# Altium PCB Computer_Board.PcbDoc (part 2 of 5) (continued)
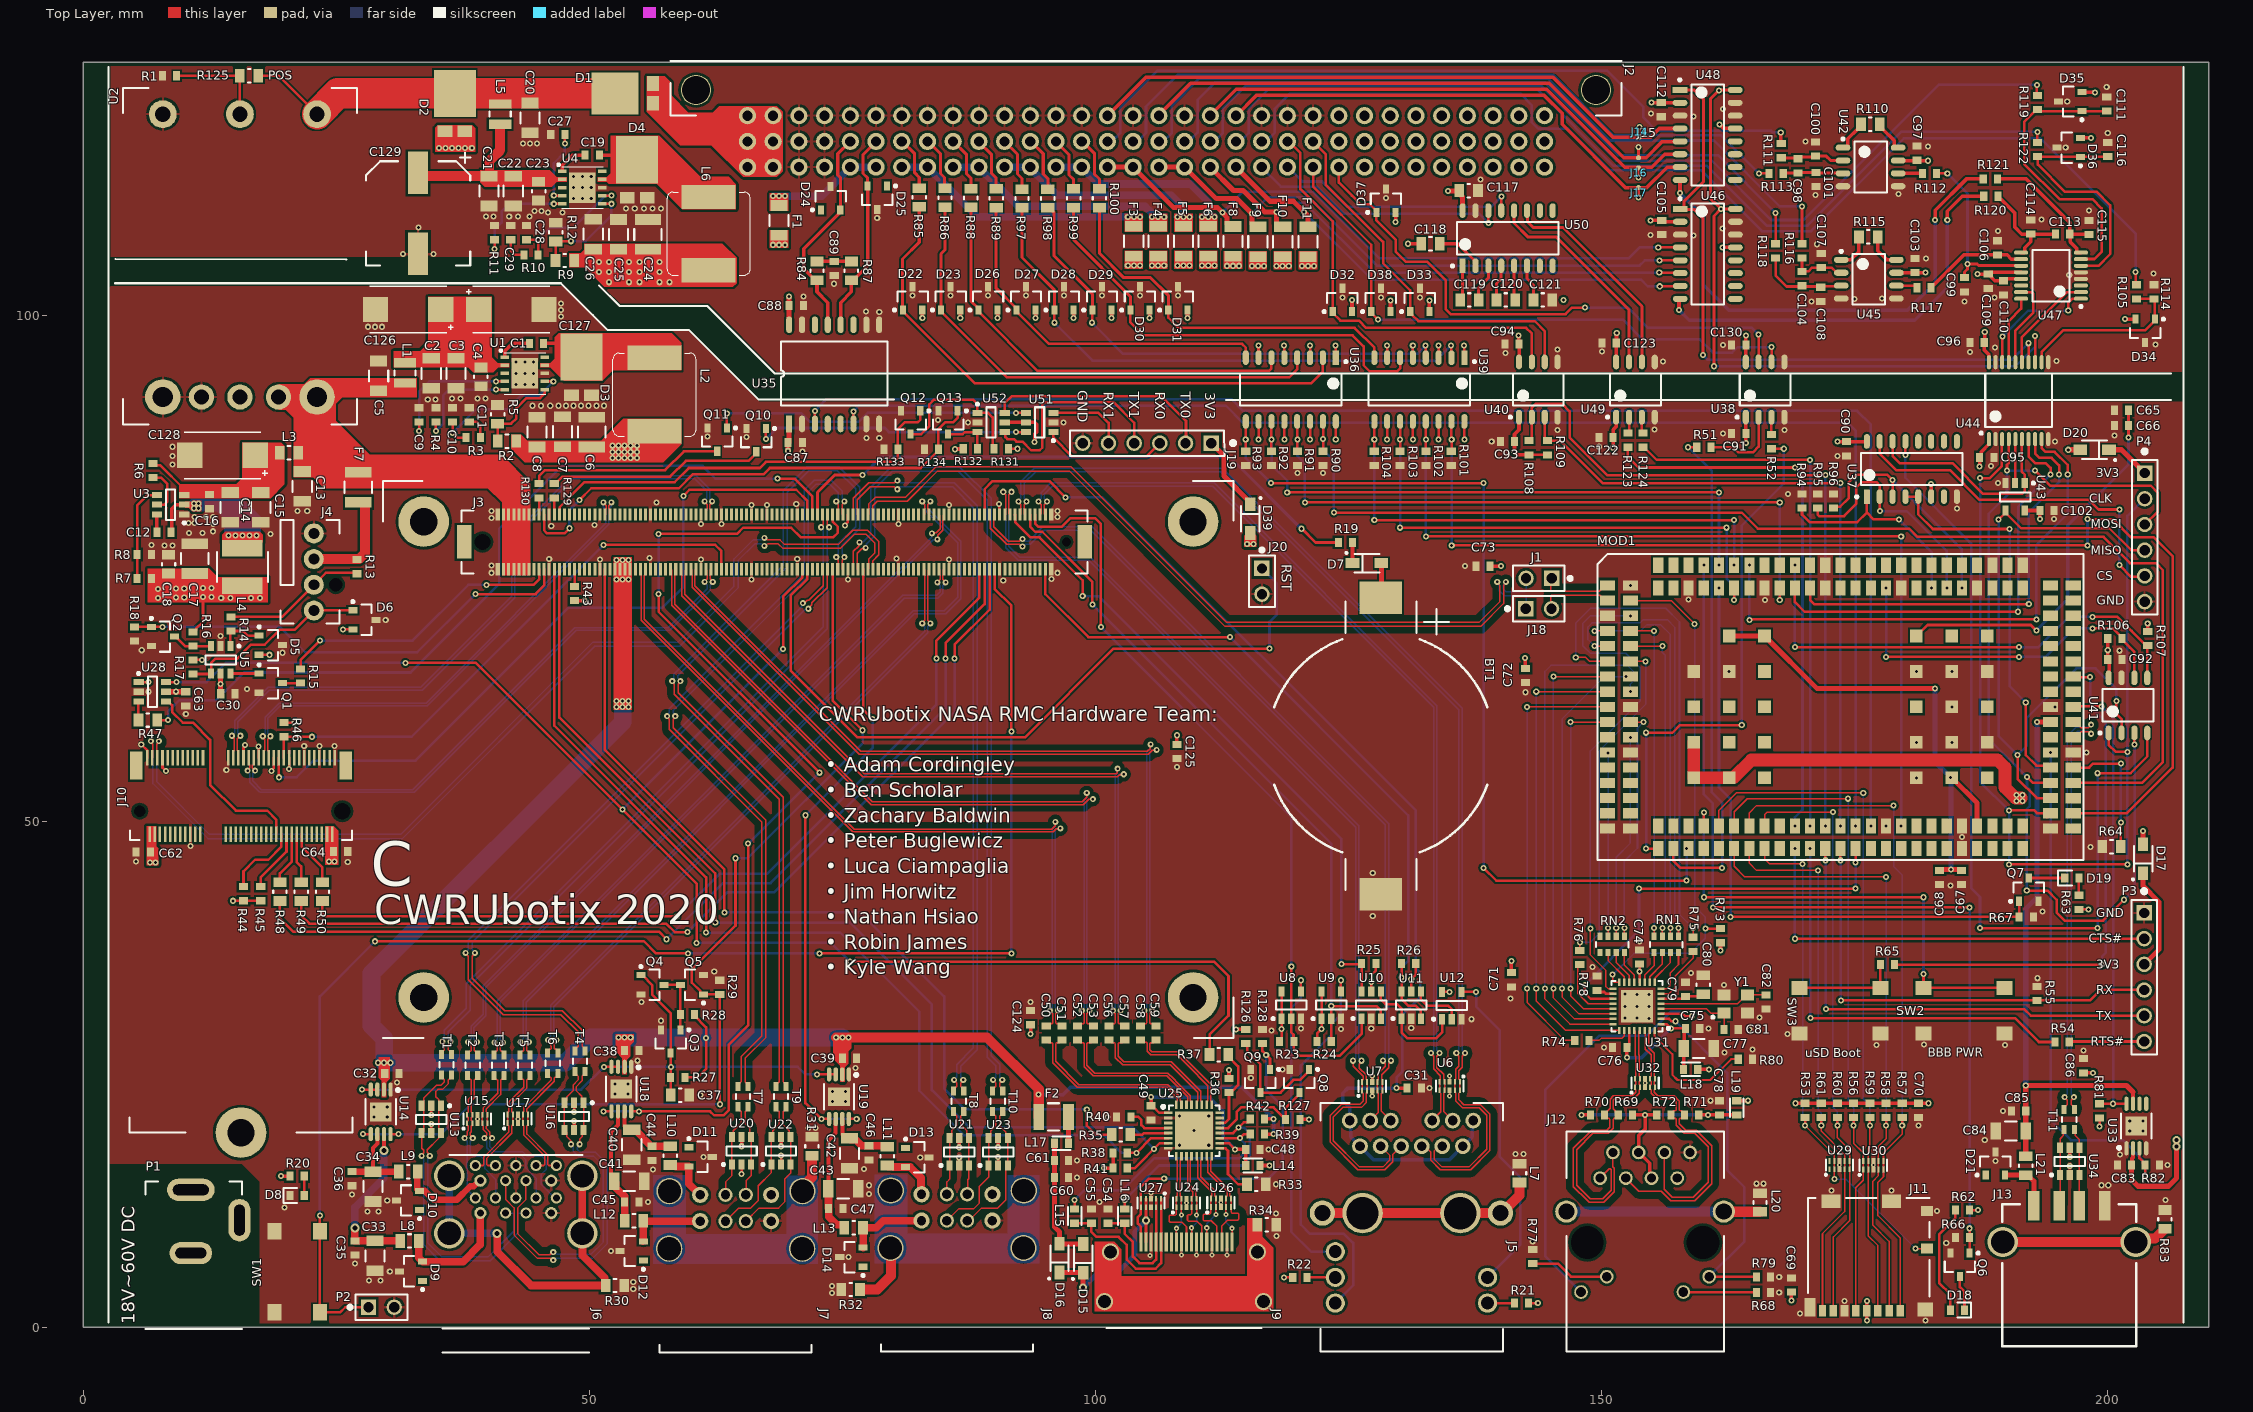
[diagram p0: Top Layer view]
## Part data (continued)
U5 U51 U52: library part LOGIC-00001, "Inverter, Dual, sot-23-6, SN74LVC2G04", Manufacturer=TI, Manufacturer PN=SN74LVC2G04, Part Number=LOGIC-00001
U6 U7 U15 U17 U24 U26 U27 U29 U30 U32: library part DIO-00068, "TVS, 4-Ch, ESD Protec, 3.6V 8.8V 10-USON", Current Rating=2A, Manufacturer=TI, Power Rating=17W, Cost=0.56, Manufacturer PN=TPD4E02B04DQAR, Part Number=DIO-00068, Type=TVS
U8 U9 U12: library part LOGIC-00040, "IC, Tri-State Buffer Non-Inverting, Single, 1.65-5.5V, SOT-23-5", Manufacturer=TI, Cost=$0.32, Manufacturer PN=SN74LVC1G126DBVR, Part Number=LOGIC-00040
U10 U11 U28: library part LOGIC-00042, "IC, AND Gate, Single 3-Input, 1.65-5.5V, SOT-23-6", Manufacturer=TI, Cost=$0.37, Manufacturer PN=SN74LVC1G11DBVR, Part Number=LOGIC-00042
U13 U16 U20 U21 U22 U23 U34: library part DIO-00069, "ESD Protec, 2-Ch, 2.5pF, 17V clamping voltage, SOT23-6", Current Rating=5A, Forward Voltage=1.1V, Manufacturer=ST, Reverse Breakdown Voltage=6V, Cost=0.73, Manufacturer PN=USBLC6-2SC6Y, Part Number=DIO-00069, Type=TVS
U14 U18 U19 U33: library part PWREG-00052, "IC, Power Switch 1:2, 8-MSOP", Manufacturer=TI, Max Current=1A, Voltage Range In="2.7 ~ 5.5V", Cost=1.56, Manufacturer PN=TPS2066DGNR, Part Number=PWREG-00052, Reg Type="Power Switch", Voltage Range Out="2.7 ~ 5.5V"
U25: library part IFACE-00026, "IC, Video Level Shifter, HDMI v1.4b, 32-HVQFN, PTN3366", Manufacturer=NXP, Cost=0.94, Manufacturer PN=PTN3366BSMP, Part Number=IFACE-00026
U31: library part IFACE-00025, "IC, 10/100 Ethernet Transceiver", Manufacturer=Microchip, Cost=1.56, Manufacturer PN=LAN8710AI-EZK-TR, Part Number=IFACE-00025
U35: library part IFACE-00009, "Isolated CANbus Transceiver, Single channel, ADM3050E", Manufacturer="Analog Devices", Cost=9.62, Manufacturer PN=ADM3050EBRWZ, Part Number=IFACE-00009
U36 U39: library part IFACE-00012, "Opto-Coupler Array, Photo-Transistor Output, TLP291-4", Manufacturer=Toshiba, Manufacturer PN=TLP291-4, Part Number=IFACE-00012
U37: library part LOGIC-00035, "IC, 3:8 Decoder/Demux, SOIC-16, 2V-6V", Manufacturer=TI, Manufacturer PN=SN74HC138DR, Cost=$0.37, Part Number=LOGIC-00035
U38 U49: library part IFACE-00015, "Digital Isolator, Dual-Channel, ADuM3211", Manufacturer="Analog Devices", Manufacturer PN=ADuM3211ARZ, Cost=2.87, Part Number=IFACE-00015
U40: library part IFACE-00030, "IC, Bidirectional I2C Isolator, 2500 Vrms, Low Power, SOIC-8", Manufacturer=TI, Cost=4.05, Manufacturer PN=ISO1541DR, Part Number=IFACE-00030
U41: library part ANLG-00048, "IC, 0.5°C Accurate 16-bit Digital SPI Temperature Sensor, SOIC-8, ADT7310", Manufacturer="Analog Devices", Manufacturer PN=ADT7310TRZ, Cost=3.93, Part Number=ANLG-00048
U42 U45: library part ANLG-00071, "IC, Instrumentation Amp, Single, 4.6 ~ 36V supply, SOIC-8", Manufacturer="Linear Technology", Cost=7.61, Manufacturer PN=LT1920CS8#PBF, Part Number=ANLG-00071
U43: library part LOGIC-00027, "Tri-State Buffer, Single, 2-5.5V, SOT-23-5, SN74AHC1G125", Manufacturer=TI, Manufacturer PN=SN74AHC1G125DBVR, Cost=$0.33, Part Number=LOGIC-00027
U44: library part IFACE-00029, "Digital Isolator, SPI-bus optomized, ADuM3151", Manufacturer="Analog Devices", Cost=6.69, Manufacturer PN=ADuM3153BRSZ, Part Number=IFACE-00029
U46 U48: library part ANLG-00072, "Analog Mux, 8:1, 5 ~ 36V, SOIC-16", Manufacturer=Vishay, Cost=1.77, Manufacturer PN=DG408DY, Part Number=ANLG-00072
U47: library part ANLG-00073, "IC, ADC 24-bit 4-Channel MUX-PGA, Sigma-Delta, 2k SPS, 16-TSSOP", Manufacturer=TI, Cost=8.27, Manufacturer PN=ADS1220IPWR, Part Number=ANLG-00073
U50: library part IFACE-00031, "IC, RS-232 Transceiver, Dual Channel, SOIC-16", Manufacturer="Maxim Integrated", Cost=2.92, Manufacturer PN=MAX232CSE+, Part Number=IFACE-00031
Y1: library part OSC-00005, "XTAL, 25MHz, 20pF, 20ppm", Frequency=25M, Load Capacitance=20pF, Manufacturer="ECS Inc.", Manufacturer PN=ECS-250-20-33-JTN-TR, Tolerance=20ppm, Cost=0.56, ESR=40, Part Number=OSC-00005, Stability=20ppm

## Free pads (board coordinates)
  round 5 hole 2.7: 0(15.6,19.25) 0(33.65,79.6) 0(33.65,32.6) 0(109.65,32.6) 0(109.65,79.6)

## Via types
v1: diameter 0.6, hole 0.3, Top Layer to Bottom Layer, tented both sides, 853 vias
v2: diameter 0.6, hole 0.3, Top Layer to Bottom Layer, 91 vias
v3: diameter 0.6, hole 0.25, Top Layer to Bottom Layer, tented both sides, 88 vias
v4: diameter 0.5, hole 0.2, Top Layer to Bottom Layer, tented both sides, 20 vias
v5: diameter 0.45, hole 0.2, Top Layer to Bottom Layer, tented both sides, 5 vias
v6: diameter 0.8, hole 0.4, Top Layer to Bottom Layer, tented both sides, 4 vias
v7: diameter 0.9, hole 0.5, Top Layer to Bottom Layer, tented both sides, 3 vias

## Nets (pads, with @x,y where several pads share a name; then routed paths per layer and width w, separated by ;. In a path a pad name is that pad's centre, name@x,y a point inside that pad or via, vN(x,y) a via of type N, cw(c..) or ccw(c..) an arc to the next point about the centre after c; other vN are vias at no path point)
3V3_PHY: C75.2 C76.2 C77.1 L18.1 U31.1 U31.27 | length 14.9
  Top Layer w0.25: C76.2@152.5,27.65 152.75,27.9 U31.27@152.75,29.35 ; U31.1@155.875,29.975 156.425,29.975 v1(156.85,29.55) C75.2@158.15,29.55
  Top Layer w0.3: C77.1@158.1,27.525 C77.1@158.125,27.55
  Top Layer w0.35: v1(152.5,26.65) C76.2@152.5,27.65 ; L18.1@158.1,25.5 C77.1@158.1,27.525 ; C77.1@158.125,27.55 158.15,27.575 C75.2@158.15,29.55
  Bottom Layer w0.35: v1(152.5,26.65) 153.95,26.65 v1(156.85,29.55)
3V3A: C65.2 C66.2 MOD1.G1 | length 38.4
  Top Layer w0.3: MOD1.G1@181.1,68.3 182.2,69.4 192.4,69.4 v1(192.95,68.85) ; v2(202.05,87.9) C66.2@202.05,89.1 C66.2@202.05,89.2 ; C65.2@202.05,90.7 C65.2@202.05,90.6 C66.2@202.05,89.2 ; C66.2@202.25,89.4 C66.2@202.05,89.2
  Bottom Layer w0.3: v1(192.95,68.85) 196.05,71.95 196.05,79.25 202.05,85.25 v2(202.05,87.9)
3V3B: C67.2 C68.2 MOD1.81 MOD1.B1 MOD1.C1 MOD1.H5 | length 49.3
  Top Layer w0.5: MOD1.B1@162.6,68.3 MOD1.C1@166.1,68.3 171.3,63.1 v1(182.95,63.1) ; C68.2@183.3,45.15 183.4,45.25 v1(184.531,45.25) 185.45,45.25 C67.2@185.55,45.15 ; v2(184.45,54.35) 184.55,54.35 MOD1.H5@184.6,54.3 187.1,51.8 MOD1.81@187.1,49.55
  Bottom Layer w0.5: v1(182.95,63.1) 182.95,55.85 184.531,54.269 v1(184.531,45.25)
5V_A: F1.1 J2.C5 J2.C6 | length 11.5
  Top Layer w0.75: J2.C5@75.81,114.62 J2.C5@75.89,114.54
  Bottom Layer w0.75: v1(68.15,111.75) v1(68.75,111.75) ; v1@68.8,111.75 v1(69.35,111.75) 72.952,111.75 75.79,114.588 J2.C5@75.79,114.62 ; J2.C5@75.81,114.62 76.22,114.62 J2.C6@78.35,114.62
5V_B: F3.1 J2.C7 J2.C8 | length 25.6
  Bottom Layer w0.75: J2.C7@80.89,114.62 J2.C8@83.43,114.62 ; J2.C8@83.41,114.62 J2.C8@83.43,114.62 ; v1(104.4,109.7) v1(103.8,109.7) v1(103.2,109.7) 88.35,109.7 J2.C8@83.43,114.62
5V_C: F4.1 J2.C9 J2.C10 | length 23.1
  Bottom Layer w0.75: J2.C9@85.97,114.62 J2.C10@88.51,114.62 ; J2.C10@88.49,114.62 92.36,110.75 104.9,110.75 105.6,110.05 v1(105.6,109.7) v1(106.2,109.7) v1(106.8,109.7)
5V_D: F5.1 J2.C11 J2.C12 | length 21.5
  Bottom Layer w0.75: J2.C11@91.05,114.62 J2.C12@93.59,114.62 ; J2.C12@93.57,114.62 93.57,114.525 96.245,111.85 107.5,111.85 108.7,110.65 v1(108.7,109.7) ; v1(108.1,109.7) v1(108.7,109.7) ; v1(109.3,109.7) v1(108.7,109.7)
5V_E: F6.1 J2.C13 J2.C14 | length 19.2
  Bottom Layer w0.75: J2.C13@96.13,114.62 J2.C14@98.67,114.62 ; J2.C14@98.65,114.62 98.665,114.62 100.335,112.95 109.4,112.95 111.15,111.2 v1(111.15,109.7) ; v1(110.55,109.7) v1(111.15,109.7) ; v1(111.75,109.7) v1(111.15,109.7)
+3.3: C17.1 C18.1 C30.1 C62.1 C63.2 C64.2 C69.2 C70.2 C71.2 C72.2 C73.2 C74.2 C86.1 C87.1 C90.1 C91.2 C92.1 C93.2 C95.2 C102.2 C122.2 C124.2 C125.2 D5.2 D6.2 D17.2 D20.2 D39.2 J10.2 J10.4 J10.72 J10.74 J11.4 L4.2 L14.2 L18.2 L19.2 R7.1 R16.1 R17.1 R20.2 R21.1 R22.1 R23.1 R24.1 R25.1 R26.1 R36.1 R38.1 R41.1 R43.2 R44.1 R45.1 R46.1 R53.1 R56.1 R57.1 R58.1 R59.1 R60.1 R61.1 R62.2 R63.2 R73.1 R81.1 R106.1 R107.1 R108.2 R109.2 R126.1 R127.1 R131.1 R132.1 U5.5 U8.1 U8.5 U9.1 U9.5 U10.5 U11.5 U12.5 U13.5 U16.5 U20.5 U21.5 U22.5 U23.5 U28.1 U28.5 U31.12 U34.5 U35.1 U36.10 U36.12 U36.14 U36.16 U37.6 U37.16 U38.1 U39.10 U39.12 U39.14 U39.16 U40.1 U41.8 U43.5 U44.1 U49.1 U51.5 U52.5 | length 130.7
  Top Layer w0.25: U28.1@5.5,63.75 v1(6.45,63.75) ; R17.1@10.85,65.95 v1(11.75,65.95) ; R16.1@10.85,68.7 10.95,68.7 11.175,68.925 11.175,69.025 11.85,69.7 v1(11.85,72.15) ; v1(14.8,42.15) R44.1@15.85,42.15 R45.1@17.55,42.15 ; D5.2@17.4,66.45 v1(18.4,66.45) ; R46.1@19.85,59.75 v1(20.9,59.75) ; v1(25.7,68.95) D6.2@26.65,68.95 ; U13.5@34.4,19.2 v1(34.4,20.1) ; R132.1@86.9,86.75 86.925,86.775 R132.1@86.95,86.8 ; R131.1@91.4,86.8 v1(92.3,86.8) ; v1(116.125,87.725) U36.10@116.125,89.5 ; R23.1@118.2,28.25 118.4,28.45 v1(118.4,29.5) U8.1@118.4,30.5 U8.5@118.4,33.2 ; v1(118.65,4.95) R22.1@119.5,4.95 ; v1(118.665,87.725) U36.12@118.665,89.5 ; v1(121.205,87.725) U36.14@121.205,89.5 ; R24.1@121.9,28.25 121.9,29.05 v1(122.35,29.5) U9.1@122.35,30.5 U9.5@122.35,33.2 ; v1(123.745,87.725) U36.16@123.745,89.5 ; U10.5@127.25,33.2 v1(127.25,34.15) 127.3,34.2 127.3,34.85 127.7,35.25 R25.1@127.7,35.95 ; v1(128.825,87.725) U39.10@128.825,89.5 ; U11.5@131.2,33.2 v1(131.2,34.4) 131.65,34.85 R26.1@131.65,35.95 ; v1(131.365,87.725) U39.12@131.365,89.5 ; v1(133.905,87.725) U39.14@133.905,89.5 ; U12.5@134.25,33.15 v1(135,33.15) ; v1(136.445,87.725) U39.16@136.445,89.5 ; R21.1@142.8,2.4 v1(143.7,2.4) ; R108.2@142.85,86.2 R109.2@144.65,86.2 ; U31.12@153.75,34.1 v1(153.75,35.15) C74.2@153.75,35.8 ; R62.2@186.35,11.6 v1(187.2,11.6) ; R63.2@197.15,41.3 v1(198.1,41.3) ; v1(199.2,19.85) R81.1@199.2,20.7
  Top Layer w0.35: v1(19.55,14.95) R20.2@20.45,14.95 ; U16.5@48.5,19.5 v1(48.5,20.4) ; R43.2@48.6,71.8 v1(49.55,71.8) ; v1(65.05,17.9) U20.5@65.05,18.8 ; v1(68.95,17.9) U22.5@68.95,18.8 ; v1(86.15,86.75) 86.175,86.775 R132.1@86.925,86.775 ; v1(86.55,17.8) U21.5@86.55,18.7 ; v1(90.4,17.8) U23.5@90.4,18.7 ; U52.5@91.05,89.4 U51.5@93.15,89.4 93.995,89.4 94.2,89.195 94.2,88.456 94.019,88.275 94.019,87.469 v1(94,87.45) ; v1(93.6,29) C124.2@93.6,29.9 ; v1(100.85,15.75) R41.1@101.75,15.75 R38.1@101.75,17.25 ; C125.2@108.05,57.6 v1(108.05,58.5) ; R36.1@113.2,24.6 v1(113.2,25.45) ; v1(113.9,29.45) R126.1@114.85,29.45 ; L14.2@116.25,16 v1(117.2,16) ; R127.1@120.2,20.55 v1(121.1,20.55) ; C73.2@139,75.2 v2(140.05,75.2) ; C71.2@141.1,35.05 v2(141.1,36.2) ; U40.1@141.845,89.925 141.845,88.695 141.4,88.25 C93.2@141.4,87.5 v1(141.4,86.5) 141.43,86.5 141.73,86.2 R108.2@142.85,86.2 ; v2(142.45,66.15) 142.475,66.125 142.475,65.125 C72.2@142.5,65.1 ; v1(151.15,86.9) C122.2@151.15,87.9 151.15,88.7 151.45,89 151.45,89.92 U49.1@151.445,89.925 ; L18.2@159.5,25.5 v1(160.6,25.5) ; v1(161.75,37.25) R73.1@161.75,38 ; L19.2@163.35,22.4 v1(164.45,22.4) ; U38.1@164.245,89.925 164.247,89.922 164.247,87.352 v1(164.25,87.35) ; v1(168.75,2.65) C69.2@168.75,3.5 ; v1(169.15,22.15) R61.1@171.7,22.15 R60.1@173.3,22.15 R56.1@174.9,22.15 R59.1@176.5,22.15 R58.1@178.1,22.15 R57.1@179.7,22.15 C70.2@181.3,22.15 v1(182.3,22.15) ; v1(173.3,87.5) C90.1@174.2,87.5 174.212,87.512 176.192,87.512 U37.16@176.205,87.525 ; v1(176.2,0.7) J11.4@176.2,1.65 v1(176.2,2.6) ; v1(182.55,83.3) 182.553,83.298 182.553,82.078 U37.6@182.555,82.075 ; v1(187.35,85.05) C95.2@187.35,85.95 ; C95.2@187.4,85.9 187.525,86.025 187.525,86.514 188.252,87.24 188.275,87.264 U44.1@188.275,87.75 ; U43.5@191.8,80.7 C102.2@193.3,80.7 v1(193.3,79.85) ; v1(196.25,16.85) U34.5@196.25,17.75 ; C86.1@197.6,25.15 v1(198.55,25.15) ; C92.1@199.997,66 199.997,66.897 v1(200,66.9) R106.1@200,68.05 ; U41.8@200.145,64.175 200.147,64.177 C92.1@200.147,66 ; R107.1@203.95,68.75 v1(203.95,69.55)
  Top Layer w0.5: U28.5@8.15,62.8 U28.5@8.2,62.8 v1(9.2,62.8) C63.2@10.15,62.8 ; C30.1@13.6,62.6 v1(13.6,63.55) U5.5@13.6,64.6 ; v1(69.655,86.6) C87.1@69.655,87.4 ; C87.1@69.755,87.4 U35.1@69.755,89.25 ; v1(196.1,86.7) D20.2@197.275,86.7 ; v1(203.5,49.05) D17.2@203.5,47.725 D17.2@203.525,47.7
  Bottom Layer w0.35: v1@198.525,25.175 v1(198.55,25.15)
  other v1: 6.6,45.95 7.15,45.95 24.3,46.05 24.85,46.05 7.4,72.05 13.65,72.05 14.55,72.05 16.6,72.05 17.5,72.05 9.2,72.1 10,72.1 12.7,72.15 7.4,72.95 9.2,73 10,73 11.85,73.05 12.7,73.05 114.999,77.395 115.6,77.4
+5: C24.1 C25.1 C26.1 C88.1 C94.1 C96.1 C97.1 C103.1 C105.2 C109.2 C110.1 C112.2 C117.2 C118.1 C123.1 C130.1 D22.2 D23.2 D26.2 D27.2 D28.2 D29.2 D30.2 D31.2 D32.2 D33.2 D34.2 D35.2 D36.2 D37.2 D38.2 F1.2 F3.2 F4.2 F5.2 F6.2 F8.1 F9.1 F10.1 F11.1 L6.2 R9.1 U35.16 U36.1 U36.3 U36.5 U36.7 U38.8 U39.1 U39.3 U39.5 U39.7 U40.8 U42.7 U44.20 U45.7 U46.2 U46.13 U47.12 U47.13 U48.2 U48.13 U49.8 U50.16 | length 65.3
  Top Layer w0.25: v1(116.1,97) 116.112,96.987 116.112,95.812 U36.7@116.125,95.8 ; v1(118.653,96.987) 118.665,96.975 U36.5@118.665,95.8 U36.5@118.678,95.787 ; v1(121.193,96.987) 121.205,96.975 U36.3@121.205,95.8 U36.3@121.218,95.787 ; v1(123.733,96.987) 123.745,96.975 U36.1@123.745,95.8 U36.1@123.758,95.787 ; v1(128.813,96.987) 128.825,96.975 U39.7@128.825,95.8 U39.7@128.838,95.787 ; v1(131.353,96.987) 131.365,96.975 U39.5@131.365,95.8 U39.5@131.378,95.787 ; v1(133.893,96.987) 133.905,96.975 U39.3@133.905,95.8 U39.3@133.918,95.787 ; v1(136.433,96.987) 136.445,96.975 U39.1@136.445,95.8 U39.1@136.458,95.787
  Top Layer w0.35: v1(82.9,99.7) D22.2@82.9,100.49 ; v1(86.65,99.7) D23.2@86.65,100.49 ; v1(90.35,99.7) D26.2@90.35,100.49 ; v1(94.1,99.7) D27.2@94.1,100.49 ; v1(97.85,99.7) D28.2@97.85,100.49 ; v1(101.6,99.7) D29.2@101.6,100.49 ; v1(105.35,99.7) D30.2@105.35,100.49 ; v1(109.1,99.7) D31.2@109.1,100.49 ; D32.2@125.35,100.35 v1(125.35,101.5) ; D38.2@129.15,100.35 v1(129.15,101.45) ; v1(129.65,109.2) D37.2@129.65,110.15 ; v2(130.9,107.05) C118.1@132.175,107.05 ; D33.2@133,100.35 v1(133,101.45) ; v1(141.793,97.975) 141.821,97.946 141.821,97.176 141.847,97.15 141.847,95.377 U40.8@141.845,95.375 ; U49.8@151.445,95.375 151.447,95.377 151.447,97.247 C123.1@151.45,97.25 151.475,97.275 151.475,98.225 v2(151.5,98.25) ; v2@154.85,109.35 C105.2@155.95,109.35 C105.2@155.85,109.35 ; v1(154.95,121) 154.963,120.987 157.687,120.987 157.712,121.012 U48.2@157.75,120.974 U48.2@157.762,120.962 ; C105.2@155.95,109.2 155.963,109.212 157.762,109.212 U46.2@157.775,109.225 ; U46.2@157.738,109.262 U46.2@157.775,109.225 ; U46.2@157.788,109.212 U46.2@157.775,109.225 ; v2(161.65,118.85) 162.038,118.462 163.172,118.462 U48.13@163.2,118.434 ; v2(161.933,106.685) U46.13@163.225,106.685 U46.13@163.285,106.685 ; U38.8@164.245,95.375 164.247,95.377 164.247,97.998 v1(164.25,98) ; U45.7@179.125,104.185 179.132,104.192 C103.1@180.642,104.192 ; U42.7@179.3,115.27 v2@182.25,115.27 ; C103.1@180.65,104.2 C103.1@180.642,104.192 ; v2(182,104.2) 181.992,104.192 C103.1@180.642,104.192 ; v2(187.15,104.05) C109.2@188.2,104.05 ; v1(187.85,98.35) 187.852,98.348 187.852,97.352 C96.1@187.8,97.3 187.82,97.28 187.82,96.53 188.265,96.085 188.265,95.36 U44.20@188.275,95.35 ; U47.13@191.446,103.575 190.18,103.575 189.875,103.575 C110.1@189.7,103.4 188.85,103.4 188.475,103.775 188.475,103.875 188.3,104.05 C109.2@188.2,104.05 ; U47.12@191.446,104.225 188.68,104.225 188.375,104.225 C109.2@188.2,104.05 ; D36.2@197.3,117.5 v2(198.35,117.5) ; D35.2@197.45,122.05 197.475,122.025 198.725,122.025 v2(198.75,122) ; v2(201.7,99.6) D34.2@202.75,99.6
  Top Layer w0.5: v1(69.75,101.85) 69.755,101.845 U35.16@69.755,99.05 ; v2(134.85,112.25) C117.2@135.95,112.25 ; C117.2@135.95,112.3 136.175,112.075 136.175,111.775 136.279,111.671 U50.16@136.279,110.325
  other v1: 51.95,103.25 53.95,103.25 54.95,103.25 56.95,103.25 57.95,103.25 50.95,104.25 51.95,104.25 53.95,104.25 54.95,104.25 56.95,104.25 115.45,104.85 116.05,104.85 116.65,104.85 117.9,104.85 118.5,104.85 119.1,104.85 120.4,104.85 121,104.85 121.6,104.85 113,104.875 113.6,104.875 114.2,104.875 103.2,104.9 103.8,104.9 104.4,104.9 105.6,104.9 106.2,104.9 106.8,104.9 108.1,104.9 108.7,104.9 109.3,104.9 110.55,104.9 111.15,104.9 111.75,104.9 50.95,105.25 51.95,105.25 53.95,105.25 54.95,105.25 56.95,105.25 68.15,106.95 68.75,106.95 69.35,106.95
  other v2: 154.838,109.363 182.25,115.25
+5_SBY: C6.1 C7.1 C8.1 C32.2 C38.2 C39.2 C83.1 F2.2 J3.B84 J3.B85 J3.B86 J3.B87 L2.2 MOD1.A4 MOD1.A5 MOD1.B5 R2.1 R27.1 R28.1 R39.2 R42.2 U14.2 U18.2 U19.2 U33.2 | length 205.4
  Top Layer w0.25: R27.1@59.45,24.7 60.7,24.7 61.55,25.55 v1(61.55,28.6) 61.55,29.65 60.4,30.8 R28.1@60.4,30.9
  Top Layer w0.35: R39.2@116.7,19.1 v1(117.6,19.1) ; R42.2@116.7,20.6 v1(117.6,20.6)
  Top Layer w0.4: C83.1@202.35,16.05 202.4,16.1 202.4,16.7 202.496,16.796 202.496,17.696 U33.2@202.5,17.7
  Top Layer w0.5: C83.1@202.35,16.05 202.35,14.6 203,13.95 206,13.95 206.8,14.75 v6(206.8,17.874) v6(206.8,18.5)
  Top Layer w1: v1(74.4,28.65) v1(75,28.65) v1(75.6,28.65) 89.3,28.65 94.4,23.55 v1(94.4,23) F2.2@94.4,20.8
  Top Layer w1.25: MOD1.A4@159.1,57.8 MOD1.A5@159.1,54.3 MOD1.B5@162.6,54.3 163.05,54.3 164.8,56.05 189.118,56.05 189.85,55.318 189.85,53.332 190.882,52.3 191.45,52.3
  Bottom Layer w0.35: v1(94.4,23) 96.8,23 97.55,23.75 114.45,23.75 v1(117.6,20.6) v1(117.6,19.1)
  Bottom Layer w1.75: v1(53.3,61.9) v1(53.3,61.3) 53.3,59.8 28.5,35 28.5,29.8 29.75,28.55 v1(29.75,26.15) v1(30.35,26.15) 47.65,26.15 50.15,28.65 v1(52.9,28.65) v1(53.5,28.65) v1(54.1,28.65) v1@61.55,28.65 ; v1(61.55,28.6) 61.6,28.65 v1(74.4,28.65) v1(75,28.65)
  other v1: 29.15,26.15 191,52 191.6,52 191,52.6 191.6,52.6 52.7,61.3 53.9,61.3 52.7,61.9 53.9,61.9 52.7,73.9 53.3,73.9 53.9,73.9 52.7,75.8 53.3,75.8 53.9,75.8 52.3,85.9 52.9,85.9 53.5,85.9 54.1,85.9 54.7,85.9 52.3,86.5 52.9,86.5 53.5,86.5 54.1,86.5 54.7,86.5 52.3,87.1 52.9,87.1 53.5,87.1 54.1,87.1 54.7,87.1
+12: C5.1 C13.1 F7.2 J3.A104 J3.A105 J3.A106 J3.A107 J3.A108 J3.A109 J3.B104 J3.B105 J3.B106 J3.B107 J3.B108 J3.B109 L1.1 L3.1 U2.7 U2.8
+24V: C20.1 D1.3 D2.3 L5.1 R125.2 U2.1 | length 37.6
  Top Layer w0.25: R125.2@17.325,123.65 19.32,123.65 U2.1@23.12,119.85
  Top Layer w3: U2.1@23.12,119.85 25.17,121.9 D1.3@52.55,121.9
+VIN: D1.1 D1.2 J2.A1 J2.A2 J2.B1 J2.B2 J2.C1 J2.C2
ADC_1_C\S\: U37.14 U43.1 U44.6 | length 21.4
  Top Layer w0.25: U37.14@178.745,87.525 178.745,86.105 179.5,85.35 184.7,85.35 187.7,82.35 191.55,82.35 191.8,82.6 191.8,84.25 191.525,84.525 U44.6@191.525,87.75
ADC_CS_5V: U44.15 U47.2 | length 10.1
  Top Layer w0.25: U44.15@191.525,95.35 191.525,97.825 195.975,102.275 U47.2@197.346,102.275
AFE_MUX_0: MOD1.159 U44.7 | length 43.7
  Top Layer w0.25: MOD1.159@169.1,73.05 169.1,71.65 170.05,70.7 v1(191.15,70.7) ; U44.7@192.175,87.75 192.175,86.025 192.85,85.35 193.9,85.35 194.35,84.9 v1(194.35,84.25)
  Bottom Layer w0.25: v1(191.15,70.7) 191.15,81.05 v1(194.35,84.25)
AFE_MUX_0_5V: U44.14 U46.1 U48.1 | length 65.4
  Top Layer w0.25: U44.14@192.175,95.35 v1(192.175,97.225)
  Top Layer w0.3: U48.1@157.75,122.244 159.156,122.244 160.05,121.35 160.05,113.15 158.124,111.224 U46.1@158.124,110.495 ; U46.1@157.775,110.495 157.82,110.45 159.15,110.45 160,109.6 v1(160,96.05)
  Bottom Layer w0.25: v1(160,96.05) 160.45,95.6 190.55,95.6 v1(192.175,97.225)
AFE_MUX_1: MOD1.158 U44.8 | length 42.2
  Top Layer w0.25: MOD1.158@170.6,73.05 170.6,71.85 171,71.45 v1(192.2,71.45) ; U44.8@192.825,87.75 192.825,86.325 193.25,85.9 194.45,85.9 195.2,85.15 v1(195.2,84.25)
  Bottom Layer w0.25: v1(192.2,71.45) 192.2,80.5 195.2,83.5 v1(195.2,84.25)
AFE_MUX_1_5V: U44.13 U46.16 U48.16 | length 67.6
  Top Layer w0.25: U44.13@192.825,95.35 v1(192.825,97.95)
  Top Layer w0.3: v1(161.1,94.95) 161.1,109.8 v2(161.8,110.5) ; U48.16@163.2,122.244 163.178,122.222 161.622,122.222 v2(161.6,122.2) 160.75,121.35 160.75,111.55 v2(161.8,110.5) ; U46.16@163.225,110.495 163.223,110.498 161.802,110.498 v2(161.8,110.5)
  Bottom Layer w0.25: v1(161.1,94.95) 190.9,94.95 192.825,96.875 v1(192.825,97.95)
BBB_ETH_SHLD: J12.13 L20.2 | length 19.1
  Top Layer w1: J12.13@162.075,11.45 162.088,11.438 165.637,11.438 L20.2@165.65,11.425
  Bottom Layer w1: J12.13@146.525,11.45 J12.13@162.075,11.45
BBB_I2C_SCL: MOD1.72 R109.1 U40.3 | length 66.9
  Top Layer w0.25: U40.3@144.4,89.91 U40.3@144.385,89.925 144.385,87.715 R109.1@144.5,87.6 ; R109.1@144.65,87.6 145.9,87.6 150.1,83.4 v1(173.6,83.4)
  Bottom Layer w0.25: v1(173.6,49.55) v1(173.6,83.4)
BBB_I2C_SDA: MOD1.71 R108.1 U40.2 | length 71.6
  Top Layer w0.25: R108.1@143,87.6 143.115,87.715 U40.2@143.115,89.925 143.115,90.865 143.5,91.25 146.1,91.25 146.85,90.5 146.85,87.9 150.55,84.2 v1(172.1,84.2)
  Bottom Layer w0.25: v1(172.1,49.55) v1(172.1,84.2)
BBB_PWR_BTN: MOD1.63 SW2.1 SW2.2 | length 48.3
  Top Layer w0.25: v1(160.1,42.5) v1(181.8,42.5) ; MOD1.63@160.1,49.55 v1(160.1,50.85) ; v1(181.8,34.9) SW2.1@181.8,33.55 SW2.2@189.8,33.55
  Bottom Layer w0.25: v1(160.1,42.5) v1(160.1,50.85) ; v1(181.8,34.9) v1(181.8,42.5)
BBB_RX_N: J12.6 R72.2 U31.30 U32.4 U32.7 | length 28.8
  Top Layer w0.127: U31.30@154.25,29.35 154.312,29.289 154.312,29.014 154.337,28.989 154.337,27.501 154.886,26.951 154.886,24.837 154.8,24.751 U32.7@154.8,24.568 154.8,24.385 154.886,24.299 154.886,24.001 154.8,23.915 U32.4@154.8,23.732 154.8,23.549 154.886,23.463 154.886,23.118 155.431,22.573 157.027,22.573 157.361,22.239 157.361,21.461 157.287,21.387 157.137,21.387 156.85,21.1 R72.2@156.85,21 156.85,20.945 157.137,20.659 157.287,20.659 157.361,20.584 157.361,19.976 157.969,19.369 158.169,19.169 159.219,19.169 160.55,17.838 160.55,14.35 159.05,12.85 157,12.85 156.205,13.645 J12.6@156.205,17.29
BBB_RX_P: J12.3 R71.2 U31.31 U32.5 U32.6 | length 30.1
  Top Layer w0.127: J12.3@152.395,14.75 153.695,13.45 155.9,13.45 156.827,12.523 159.185,12.523 160.877,14.215 160.877,17.973 159.354,19.496 158.304,19.496 157.688,20.112 157.688,20.584 157.763,20.659 157.913,20.659 158.2,20.945 R71.2@158.2,21 158.2,21.1 157.913,21.387 157.763,21.387 157.688,21.461 157.688,22.374 157.593,22.47 157.162,22.9 155.567,22.9 155.213,23.253 155.213,23.463 155.3,23.549 U32.5@155.3,23.732 155.3,23.915 155.213,24.001 155.213,24.299 155.3,24.385 U32.6@155.3,24.568 155.3,24.751 155.213,24.837 155.213,27.086 154.664,27.636 154.664,28.989 154.688,29.014 154.688,29.289 U31.31@154.75,29.35
BBB_SYS_RSTn: MOD1.48 U31.19 | length 40.9
  Top Layer w0.25: v1(148.35,33.85) 148.35,33.05 148.925,32.475 U31.19@151.125,32.475 ; v1(153.7,43.35) v1(175.1,43.35) ; v1(175.1,45.95) MOD1.48@175.1,47.3
  Bottom Layer w0.25: v1(148.35,33.85) 153.7,39.2 v1(153.7,43.35) ; v1(175.1,43.35) v1(175.1,45.95)
BBB_TX_N: J12.2 R70.2 U31.28 U32.1 U32.10 | length 29.7
  Top Layer w0.127: J12.2@151.125,17.29 151.107,17.272 151.107,15.897 151.277,15.727 151.277,13.419 150.231,12.373 148.765,12.373 148.569,12.569 147.223,13.915 147.223,17.708 149.015,19.5 150.512,19.5 150.812,19.8 150.812,20.584 150.737,20.659 150.587,20.659 150.3,20.945 R70.2@150.3,21 150.3,21.1 150.835,21.635 150.835,22.56 151.175,22.9 153.033,22.9 153.387,23.253 153.387,23.463 153.3,23.549 U32.1@153.3,23.732 153.3,23.915 153.387,24.001 153.387,24.299 153.3,24.385 U32.10@153.3,24.568 153.3,24.751 153.387,24.837 153.387,26.771 153.337,26.82 153.337,28.989 153.312,29.014 153.312,29.289 U31.28@153.25,29.35
BBB_TX_P: J12.1 R69.2 U31.29 U32.2 U32.9 | length 28.4
  Top Layer w0.127: J12.1@149.855,14.75 150.771,15.666 150.876,15.666 150.95,15.591 150.95,13.554 150.096,12.7 148.9,12.7 147.55,14.05 147.55,17.573 149.15,19.173 150.647,19.173 151.139,19.665 151.139,20.584 151.213,20.659 151.363,20.659 151.65,20.945 R69.2@151.65,21 151.363,21.287 151.363,21.412 151.162,21.613 151.162,22.425 151.311,22.573 153.169,22.573 153.714,23.118 153.714,23.463 153.8,23.549 U32.2@153.8,23.732 153.8,23.915 153.714,24.001 153.714,24.299 153.8,24.385 U32.9@153.8,24.568 153.8,24.751 153.714,24.837 153.714,26.906 153.664,26.956 153.664,28.989 153.689,29.014 153.689,29.289 U31.29@153.75,29.35
BBB_USB1_5V: D21.2 J13.1 L21.1 | length 5.3
  Top Layer w0.5: D21.2@189.85,15.05 L21.1@191.9,15.05 192.1,15.05 192.7,14.45 J13.1@192.7,12.25
BBB_USB1_D_N: MOD1.92 T11.4 | length 42.3
  Top Layer w0.15: T11.4@195.75,21.6 T11.4@195.7,21.55 195.7,21.75 195.875,21.925 195.912,21.925 196,22.013 196,22.437 195.75,22.687 v3(195.75,22.75) ; MOD1.92@196.6,59.8 196.85,59.8 197.275,59.375 197.275,59.338 197.363,59.25 197.575,59.25 198.1,59.25 198.35,59.5 v3(198.35,59.55)
  Bottom Layer w0.15: v3(195.75,22.75) 195.75,22.813 196,23.063 196,58.431 196.869,59.3 198.037,59.3 198.287,59.55 v3(198.35,59.55)
BBB_USB1_D_P: MOD1.91 T11.1 | length 41.5
  Top Layer w0.15: MOD1.91@196.6,58.3 196.85,58.3 197.275,58.725 197.275,58.762 197.363,58.85 197.741,58.85 198.1,58.85 198.3,58.65 v3(198.35,58.65) ; T11.1@196.65,21.6 T11.1@196.7,21.55 196.7,21.75 196.525,21.925 196.488,21.925 196.4,22.013 196.4,22.437 196.65,22.687 v3(196.65,22.75)
  Bottom Layer w0.15: v3(196.65,22.75) 196.65,22.813 196.4,23.063 196.4,58.266 197.034,58.9 198.037,58.9 198.287,58.65 v3(198.35,58.65)
BBB_USB1_EXT_N: J13.2 T11.3 U34.1 U34.6 | length 7.7
  Top Layer w0.15: J13.2@195.2,12.03 195.3,12.13 U34.1@195.3,15.05 U34.6@195.3,17.75 195.3,18.65 195.616,18.966 195.616,19.416 T11.3@195.75,19.55
BBB_USB1_EXT_P: J13.3 T11.2 U34.3 U34.4 | length 7.7
  Top Layer w0.15: T11.2@196.75,19.55 196.787,19.513 196.787,18.963 197.2,18.55 U34.4@197.2,17.75 U34.3@197.2,15.05 J13.3@197.2,12.03
BBB_USB1_VBUS: C84.1 C85.2 L21.2 MOD1.109 U33.7 | length 56.7
  Top Layer w0.4: U33.7@202.5,22.1 202.5,23.25
  Top Layer w0.5: L21.2@191.9,16.9 C84.1@191.9,19.4 C85.2@191.9,21.4 v1(191.9,23.9) 201.85,23.9 202.5,23.25 ; v1(193,59.8) MOD1.109@194.35,59.8
  Bottom Layer w0.5: v1(191.9,23.9) 191.9,41.35 193,42.45 v1(193,59.8)
BBB_USB_SHLD: J13.5 R83.2 | length 16.6
  Top Layer w1: J13.5@189.63,8.45 J13.5@202.77,8.45 203.101,8.781 204.681,8.781 205.5,9.6 205.5,9.725 R83.2@205.625,9.725
CAN_RX: MOD1.74 U35.3 | length 146.8
  Top Layer w0.25: U35.3@72.295,89.25 72.298,89.253 72.298,90.547 v1(72.3,90.55)
  Bottom Layer w0.25: v1(72.3,90.55) 73.45,91.7 113.45,91.7 114.6,90.55 175.25,90.55 176.6,89.2 v1(176.6,49.55)
CAN_TX: MOD1.73 U35.6 | length 140.5
  Top Layer w0.25: v1(76.1,90.5) 76.102,90.497 76.102,89.252 U35.6@76.105,89.25
  Bottom Layer w0.25: v1(76.1,90.5) 76.65,91.05 112.9,91.05 114.6,89.35 174.35,89.35 175.1,88.6 v1(175.1,49.55)